# Altium PCB Fri3d_2026_DJ_01.PcbDoc (part 2 of 2)
Units mm, origin at the board's own origin, x right, y up, seen from the top; angles counter-clockwise.
Board outline 165 x 74 mm, 2 copper layers (Top Layer, Bottom Layer), stack 1.571 mm thick; 65 components, 57 nets, 282 pads, 145 vias.
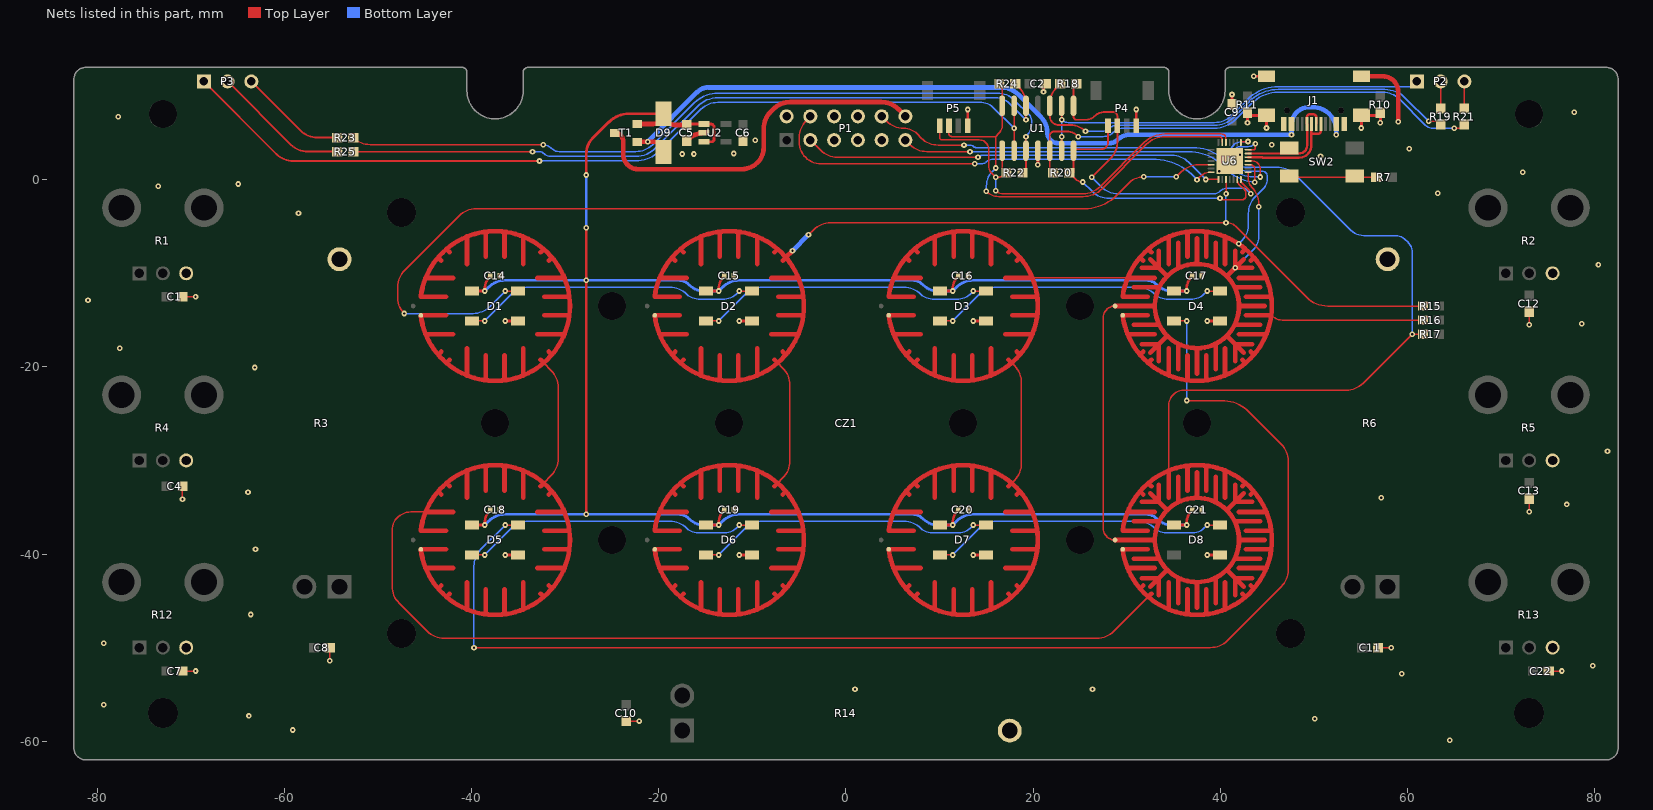
[diagram p2: the nets of this part, all layers, seen from the top]

## Via types
v1: diameter 0.6, hole 0.25, Top Layer to Bottom Layer, tented top, 145 vias

## Nets (pads, with @x,y where several pads share a name; then routed paths per layer and width w, separated by ;. In a path a pad name is that pad's centre, name@x,y a point inside that pad or via, vN(x,y) a via of type N, cw(c..) or ccw(c..) an arc to the next point about the centre after c; other vN are vias at no path point) (continued)
COL2: CZ1.1 CZ1.9 U6.22 | length 37.9
  Top Layer w0.15: CZ1.1@28.75,-38.5 cw(c28.75,-37.25) 27.5,-37.25 27.5,-14.75 cw(c28.75,-14.75) CZ1.9@28.75,-13.5 ; U6.22@42.975,0.8 42.975,0.156 ccw(c44.321,0.156) 43.369,-0.796 cw(c41.595,-2.57) 44.104,-2.57 v1(44.104,-2.887)
  Bottom Layer w0.15: v1(41.591,-9.409) 43.518,-7.482 ccw(c42.104,-6.067) 44.104,-6.067 v1(44.104,-2.887)
ESP.IO2: P1.5
ESP.IO15: P1.8
ESP.IO16: P1.7
ESP.IO17: P1.9
ESP.IO43: P1.3 U6.15 | length 45.3
  Top Layer w0.15: P1.3@-3.81,4.23 -2.724,3.144 ccw(c-0.928,4.94) -0.928,2.4 v1(14.1,2.4) ; v1(38.45,0.025) U6.15@39.8,0.025
  Bottom Layer w0.15: v1(14.1,2.4) cw(c14.583,1.917) 14.583,2.6 22.639,2.6 34.823,2.6 cw(c34.823,0.06) 36.619,1.856 v1(38.45,0.025)
ESP.IO44: P1.4 U6.14 | length 49.5
  Top Layer w0.15: P1.4@-3.81,6.77 -4.256,6.324 ccw(c-2.46,4.528) -5,4.528 -5,4.024 ccw(c-2.676,4.024) -2.676,1.7 v1(13.772,1.7) ; v1(37.5,0) 37.787,0.287 cw(c39.025,-0.95) U6.14@39.025,0.8
  Bottom Layer w0.15: v1(13.772,1.7) 14.517,1.7 ccw(c14.517,2.383) 15,1.9 cw(c15.724,1.176) 15.724,2.2 32.758,2.2 cw(c32.758,-3.984) v1@37.493,-0.006
ESP.IO47: P1.6
GND: C1.2 C2.2 C4.2 C5.2 C6.2 C7.2 C8.2 C9.2 C10.2 C11.2 C12.2 C13.2 C14.2 C15.2 C16.2 C17.2 C18.2 C19.2 C20.2 C21.2 C22.2 D1.3 D2.3 D3.3 D4.3 D5.3 D6.3 D7.3 D8.3 J1.A1 J1.A12 J1.B1 J1.B12 J1.MH1 J1.MH2 J1.MH3 J1.MH4 P1.2 P4.1 P5.1 R1.3 R2.3 R3.3 R4.3 R5.3 R6.3 R10.2 R11.2 R12.3 R13.3 R14.3 U1.11 U2.2 U6.29 | length 51
  Top Layer w0.15: C7.2@-70.9,-52.5 v1(-69.5,-52.5) ; v1(-70.9,-34.15) C4.2@-70.9,-32.75 ; C1.2@-70.9,-12.5 v1(-69.5,-12.5) ; v1(-55.15,-51.4) C8.2@-55.15,-50 ; C10.2@-23.5,-57.85 v1(-22.1,-57.85) ; C11.2@56.85,-50 v1(58.25,-50) ; v1(73,-35.5) C13.2@73,-34.1 ; v1(73,-15.5) C12.2@73,-14.1 ; C22.2@75.1,-52.5 v1(76.5,-52.5)
  Top Layer w0.25: P5.1@13,5.75 v1(13,7.5) ; P4.1@31,5.75 v1(31,7.5)
  Top Layer w0.3: v1(-36.4,-40.1) D5.3@-35.05,-40.1 ; v1(-36.4,-15.1) D1.3@-35.05,-15.1 ; v1(-11.4,-40.1) D6.3@-10.05,-40.1 ; v1(-11.4,-15.1) D2.3@-10.05,-15.1 ; v1(13.6,-40.1) D7.3@14.95,-40.1 ; v1(13.6,-15.1) D3.3@14.95,-15.1 ; v1(20.5,1.6) U1.11@20.5,3.1 ; v1(21.103,9.377) 21.103,10.003 C2.2@21.35,10.25 ; v1(38.6,-40.1) D8.3@39.95,-40.1 ; v1(38.6,-15.1) D4.3@39.95,-15.1 ; C9.2@41.25,8.05 v1(41.25,9.1) ; v1(42.9,6.1) R11.2@42.9,7.15 43.182,6.868 J1.MH4@44.93,6.868 v1(44.93,5.518) ; v1(43.58,11.048) J1.MH3@44.93,11.048 ; v1(55.07,5.518) J1.MH1@55.07,6.868 56.818,6.868 R10.2@57.1,7.15 v1(57.1,6.1)
  Top Layer w0.5: C5.2@-17,4.15 -16.84,4.31 cw(c-15.175,2.646) U2.2@-15.175,5 ; J1.MH2@55.07,11.048 57.352,11.048 cw(c57.352,9.4) 59,9.4 v1(59,6.2)
  other v1: 64.5,-59.9 -59.1,-58.8 50.1,-57.6 -63.8,-57.3 -79.3,-56.1 0.964,-54.442 26.336,-54.442 59.4,-52.8 79.786,-51.947 -79.299,-49.522 -63.59,-46.465 -63.1,-39.5 77,-34.7 57.2,-34 -63.9,-33.4 81.367,-29.035 -63.169,-20.074 -77.6,-18 78.6,-15.4 -81,-12.9 80.4,-9.1 -58.5,-3.6 63.222,-1.445 -73.5,-0.7 -64.926,-0.465 72.3,0.8 39.9,0.9 50.7,2.5 42.106,2.652 -17.5,2.75 -16.25,2.75 -12,2.8 60.174,3.303 45.5,3.75 -9.7,4.2 -77.752,6.739 77.8,7.2
I2C.SCL: P1.11 U6.24 | length 41.1
  Top Layer w0.15: P1.11@6.35,4.23 6.836,3.744 ccw(c8.632,5.54) 8.632,3 v1(13.25,3) ; U6.24@42.975,1.6 43.187,1.6 cw(c43.187,1.087) 43.701,1.087 43.701,-0.263 v1(43.676,-0.288)
  Bottom Layer w0.15: v1(13.25,3) 36.629,3 cw(c36.629,-2.121) 40.25,1.5 40.611,1.139 40.612,1.138 ccw(c44.099,4.626) v1(43.676,-0.288)
I2C.SDA: P1.10 U6.25 | length 45.1
  Top Layer w0.15: P1.10@3.81,6.77 4.336,6.244 ccw(c6.132,8.04) 6.132,5.5 cw(c6.132,3.405) 7.614,4.886 8.056,4.444 ccw(c9.852,6.24) 9.852,3.7 v1(12.609,3.7) ; U6.25@42.975,2 43.424,2 cw(c43.424,1.169) 44.256,1.169 v1(44.256,0.288)
  Bottom Layer w0.15: v1(12.609,3.7) 13.249,3.7 cw(c13.249,3.188) 13.611,3.55 ccw(c13.931,3.87) 13.931,3.417 37.125,3.417 cw(c37.125,-1.377) 40.515,2.013 41.38,1.148 ccw(c43.459,3.227) 43.459,0.288 v1(44.256,0.288)
LED.DATA: D1.4 U6.12 | length 108.4
  Top Layer w0.15: v1(-47.2,-14.3) cw(c-45.51,-12.61) -47.9,-12.61 -47.9,-11.452 cw(c-45.36,-11.452) -47.156,-9.656 -41.344,-3.844 cw(c-39.548,-5.64) -39.548,-3.1 25.487,-3.1 ccw(c25.487,1.761) 28.924,-1.676 30.264,-0.336 cw(c31.8,-1.873) v1(31.8,0.3) ; v1(-36.4,-11.9) D1.4@-35.05,-11.9 ; v1(35.3,0.312) 35.844,0.856 cw(c37.64,-0.94) 37.64,1.6 U6.12@39.025,1.6
  Bottom Layer w0.15: v1(-47.2,-14.3) -39.852,-14.3 ccw(c-39.852,-11.76) -38.056,-13.556 v1(-36.4,-11.9) ; v1(31.8,0.3) cw(c31.829,0.271) 31.829,0.312 v1(35.3,0.312)
NetD1_2: D1.2 D2.4 | length 31.9
  Top Layer w0.15: D1.2@-39.95,-15.1 v1(-38.6,-15.1) ; v1(-11.4,-11.9) D2.4@-10.05,-11.9
  Bottom Layer w0.15: v1(-38.6,-15.1) -35.744,-12.244 cw(c-33.948,-14.04) -33.948,-11.5 -18.802,-11.5 cw(c-18.802,-14.04) -17.006,-12.244 ccw(c-15.784,-11.022) -15.784,-12.75 -12.958,-12.75 ccw(c-12.958,-11.04) -11.749,-12.249 v1(-11.4,-11.9)
NetD2_2: D2.2 D3.4 | length 31.9
  Top Layer w0.15: D2.2@-14.95,-15.1 v1(-13.6,-15.1) ; v1(13.6,-11.9) D3.4@14.95,-11.9
  Bottom Layer w0.15: v1(-13.6,-15.1) -10.744,-12.244 cw(c-8.948,-14.04) -8.948,-11.5 6.198,-11.5 cw(c6.198,-14.04) 7.994,-12.244 ccw(c9.216,-11.022) 9.216,-12.75 12.042,-12.75 ccw(c12.042,-11.04) 13.251,-12.249 v1(13.6,-11.9)
NetD3_2: D3.2 D4.4 | length 31.9
  Top Layer w0.15: D3.2@10.05,-15.1 v1(11.4,-15.1) ; v1(38.6,-11.9) D4.4@39.95,-11.9
  Bottom Layer w0.15: v1(11.4,-15.1) 14.256,-12.244 cw(c16.052,-14.04) 16.052,-11.5 31.198,-11.5 cw(c31.198,-14.04) 32.994,-12.244 ccw(c34.216,-11.022) 34.216,-12.75 37.042,-12.75 ccw(c37.042,-11.04) 38.251,-12.249 v1(38.6,-11.9)
NetD4_2: D4.2 D5.4 | length 141.9
  Top Layer w0.15: v1(-39.75,-50) 38.948,-50 ccw(c38.948,-47.46) 40.744,-49.256 46.506,-43.494 ccw(c44.71,-41.698) 47.25,-41.698 47.25,-30.052 ccw(c44.71,-30.052) 46.506,-28.256 43.051,-24.801 ccw(c40.151,-27.701) 40.152,-23.6 v1(36.4,-23.6) ; v1(-36.4,-36.9) D5.4@-35.05,-36.9 ; D4.2@35.05,-15.1 v1(36.4,-15.1)
  Bottom Layer w0.15: v1(-39.75,-50) -39.75,-41.302 cw(c-37.21,-41.302) -39.006,-39.506 v1(-36.4,-36.9) ; v1(36.4,-23.6) v1(36.4,-15.1)
NetD5_2: D5.2 D6.4 | length 31.9
  Top Layer w0.15: D5.2@-39.95,-40.1 v1(-38.6,-40.1) ; v1(-11.4,-36.9) D6.4@-10.05,-36.9
  Bottom Layer w0.15: v1(-38.6,-40.1) -35.744,-37.244 cw(c-33.948,-39.04) -33.948,-36.5 -18.802,-36.5 cw(c-18.802,-39.04) -17.006,-37.244 ccw(c-15.784,-36.022) -15.784,-37.75 -12.958,-37.75 ccw(c-12.958,-36.04) -11.749,-37.249 v1(-11.4,-36.9)
NetD6_2: D6.2 D7.4 | length 31.9
  Top Layer w0.15: D6.2@-14.95,-40.1 v1(-13.6,-40.1) ; v1(13.6,-36.9) D7.4@14.95,-36.9
  Bottom Layer w0.15: v1(-13.6,-40.1) -10.744,-37.244 cw(c-8.948,-39.04) -8.948,-36.5 6.198,-36.5 cw(c6.198,-39.04) 7.994,-37.244 ccw(c9.216,-36.022) 9.216,-37.75 12.042,-37.75 ccw(c12.042,-36.04) 13.251,-37.249 v1(13.6,-36.9)
NetD7_2: D7.2 D8.4 | length 31.9
  Top Layer w0.15: D7.2@10.05,-40.1 v1(11.4,-40.1) ; v1(38.6,-36.9) D8.4@39.95,-36.9
  Bottom Layer w0.15: v1(11.4,-40.1) 14.256,-37.244 cw(c16.052,-39.04) 16.052,-36.5 31.198,-36.5 cw(c31.198,-39.04) 32.994,-37.244 ccw(c34.216,-36.022) 34.216,-37.75 37.042,-37.75 ccw(c37.042,-36.04) 38.251,-37.249 v1(38.6,-36.9)
NetP2_1: P2.1 U1.2 U1.13 | length 44.8
  Top Layer w0.15: U1.13@23.04,3.1 v1(23.04,4.604) ; v1(23.04,6.396) U1.2@23.04,7.9
  Bottom Layer w0.15: v1(23.04,4.604) v1(23.04,6.396) ccw(c23.755,7.111) 23.755,6.1 39.375,6.1 ccw(c39.375,8.64) 41.171,6.844 42.92,8.592 cw(c46.174,5.338) 46.174,9.941 60.815,9.941 ccw(c60.815,10.371) 61.12,10.067 61.12,10.38 P2.1@61,10.5
NetP2_2: P2.2 R19.2 | length 2.9
  Top Layer w0.15: R19.2@63.54,7.6 P2.2@63.54,10.5
NetP2_3: P2.3 R21.2 | length 2.9
  Top Layer w0.15: R21.2@66.08,7.6 P2.3@66.08,10.5
NetP3_1: P3.1 U1.6 U1.9 | length 98.2
  Top Layer w0.15: U1.9@17.96,3.1 U1.6@17.96,7.9
  Top Layer w0.2: P3.1@-68.62,10.5 -60.864,2.744 ccw(c-59.068,4.54) -59.068,2 v1(-32.75,2)
  Bottom Layer w0.15: v1(-32.75,2) -22.466,2 ccw(c-22.466,5.54) -19.963,3.037 -15.494,7.506 cw(c-13.698,5.71) -13.698,8.25 14.511,8.25 cw(c14.511,6.564) 15.704,7.756 v1(17.96,5.5)
NetP3_2: P3.2 R25.2 | length 14.8
  Top Layer w0.2: P3.2@-66.08,10.5 -59.324,3.744 ccw(c-57.528,5.54) -57.528,3 R25.2@-54.35,3 R25.2@-54.4,3
NetP3_3: P3.3 R23.2 | length 11.6
  Top Layer w0.2: P3.3@-63.54,10.5 -58.284,5.244 ccw(c-56.488,7.04) -56.488,4.5 R23.2@-54.35,4.5
NetR7_2: R7.2 SW2.1 | length 9.3
  Top Layer w0.15: SW2.1@47.35,0.4 ccw(c47.712,0.762) 47.712,0.25 R7.2@56.65,0.25
NetR18_2: R18.2 R19.1 U1.3 | length 49.2
  Top Layer w0.15: v1(62.25,6.25) 63.19,6.25 R19.1@63.54,5.9
  Top Layer w0.2: R18.2@22.9,10.25 22.514,9.864 ccw(c24.31,8.068) 21.77,8.068 U1.3@21.77,7.9 21.77,6.809 ccw(c22.74,6.809) 22.74,5.839 23.958,5.839 cw(c23.958,3.521) v1(25.597,5.16)
  Bottom Layer w0.15: v1(25.597,5.16) 27.354,5.16 ccw(c27.354,6.253) 28.126,5.48 cw(c28.899,4.707) 28.899,5.8 39.375,5.8 ccw(c39.375,8.64) 41.383,6.632 43.132,8.38 cw(c46.174,5.338) 46.174,9.641 57.557,9.641 cw(c57.557,6.497) 59.78,8.72 v1(62.25,6.25)
NetR20_2: R20.2 R21.1 U1.12 | length 52.4
  Top Layer w0.15: v1(65,5.5) 66,5.5 66.08,5.58 R21.1@66.08,5.9
  Top Layer w0.2: R20.2@22.15,0.75 21.77,0.75 U1.12@21.77,3.1 21.77,4.65 cw(c22.279,4.65) 22.279,5.159 23.526,5.159 cw(c23.526,3.392) 24.775,4.641 v1(24.817,4.6)
  Bottom Layer w0.15: v1(24.817,4.6) 24.823,4.606 27.474,4.606 ccw(c27.474,6.132) 28.553,5.053 cw(c29.632,3.974) 29.632,5.5 39.375,5.5 ccw(c39.375,8.64) 41.595,6.42 43.344,8.168 cw(c46.174,5.338) 46.174,9.341 57.403,9.341 cw(c57.403,6.911) 59.121,8.629 61.913,5.837 ccw(c62.727,6.652) 62.727,5.5 v1(65,5.5)
NetR22_2: R22.2 R23.1 U1.10 | length 82.6
  Top Layer w0.15: R23.1@-52.65,4.5 -52.644,4.494 ccw(c-50.848,6.29) -50.848,3.75 v1(-32.354,3.75) ; U1.10@19.23,3.1 v1(19.23,4.604)
  Top Layer w0.2: R22.2@18.85,0.75 19.23,0.75 U1.10@19.23,3.1
  Bottom Layer w0.15: v1(-32.354,3.75) cw(c-32.354,2.646) -31.573,3.427 -31.5,3.354 ccw(c-30.646,4.207) -30.646,3 -22.466,3 ccw(c-22.466,5.54) -20.67,3.744 -16.201,8.213 cw(c-13.698,5.71) -13.698,9.25 16.198,9.25 cw(c16.198,6.71) 17.994,8.506 19.565,6.935 cw(c18.845,6.216) 19.863,6.216 19.863,6.131 cw(c17.703,6.131) v1(19.23,4.604)
NetR24_2: R24.2 R25.1 U1.5 | length 79.4
  Top Layer w0.15: R25.1@-52.65,3 v1(-33.5,3) ; v1(19.23,6.396) U1.5@19.23,7.9
  Top Layer w0.2: R24.2@18.1,10.25 18.486,9.864 cw(c16.69,8.068) 19.23,8.068 U1.5@19.23,7.9
  Bottom Layer w0.15: v1(-33.5,3) -32.854,3 cw(c-32.854,2.146) -32.25,2.75 ccw(c-31.646,3.354) -31.646,2.5 -22.466,2.5 ccw(c-22.466,5.54) -20.317,3.39 -15.848,7.86 cw(c-13.698,5.71) -13.698,8.75 15.976,8.75 cw(c15.976,6.577) 17.513,8.113 v1(19.23,6.396)
ROW0: CZ1.2 CZ1.8 CZ1.16 R17.2 U6.28 | length 183.9
  Top Layer w0.15: -44.925,-35.5 -46.5,-35.5 ccw(c-46.5,-37.5) -48.5,-37.5 -48.5,-43.448 ccw(c-45.96,-43.448) -47.756,-45.244 -44.744,-48.256 ccw(c-42.948,-46.46) -42.948,-49 26.836,-49 ccw(c26.836,-46.46) 28.632,-48.256 32.305,-44.583 ; -32.305,-32.417 -31.494,-31.606 ccw(c-33.29,-29.81) -30.75,-29.81 -30.75,-22.19 ccw(c-33.29,-22.19) -31.494,-20.394 -32.305,-19.583 ; 34.5,-31.075 34.5,-24.088 cw(c36.088,-24.088) 36.088,-22.5 53.448,-22.5 ccw(c53.448,-19.96) 55.244,-21.756 v1(60.5,-16.5) R17.2@61.65,-16.5 ; U6.28@42.975,3.2 43.531,3.2 ccw(c43.531,3.419) 43.75,3.419 v1(43.75,3.851)
  Bottom Layer w0.15: v1(43.75,3.851) cw(c42.994,4.607) 42.994,3.538 42.151,3.538 ccw(c42.151,2.819) 41.432,2.819 ccw(c42.79,2.67) 42.79,1.303 46.291,1.303 cw(c46.291,-0.883) 47.837,0.663 53.756,-5.256 ccw(c55.552,-3.46) 55.552,-6 58.765,-6 cw(c58.765,-7.439) 59.783,-6.421 60.013,-6.651 cw(c58.836,-7.828) 60.5,-7.828 v1(60.5,-16.5)
ROW1: CZ1.4 CZ1.10 CZ1.12 R16.2 U6.1 | length 57
  Top Layer w0.15: 17.695,-32.417 18.006,-32.106 ccw(c16.21,-30.31) 18.75,-30.31 18.75,-21.69 ccw(c16.21,-21.69) 18.006,-19.894 17.695,-19.583 ; 19.925,-10.5 30.075,-10.5 ; U6.1@42.2,3.975 42.2,4.052 42.223,4.075 v1(42.96,4.075) ; 45.427,-14.5 ccw(c46.634,-13.293) 45.436,-14.509 ccw(c46.634,-13.293) 46.634,-15 R16.2@61.65,-15
  Bottom Layer w0.15: v1(41.949,-6.851) 42.354,-6.446 ccw(c40.793,-4.886) 43,-4.886 43,-3.606 cw(c45.54,-3.606) 43.744,-1.81 44.554,-1 ccw(c43.478,0.076) 45,0.076 45,0.41 ccw(c44.522,0.41) 44.522,0.889 43.008,0.889 cw(c43.008,2.834) 41.062,2.834 cw(c42.302,2.834) 42.302,4.075 v1(42.96,4.075)
ROW2: CZ1.6 CZ1.14 R15.2 U6.17 | length 91.3
  Top Layer w0.15: -7.305,-32.417 -6.744,-31.856 ccw(c-8.54,-30.06) -6,-30.06 -6,-21.94 ccw(c-8.54,-21.94) -6.744,-20.144 -7.305,-19.583 ; v1(-4.012,-5.9) -3.456,-5.344 cw(c-1.66,-7.14) -1.66,-4.6 v1(40.6,-4.6) 40.695,-4.6 cw(c40.695,-5.932) 41.637,-4.99 42.275,-5.628 49.224,-12.577 ccw(c51.452,-10.349) 51.452,-13.5 R15.2@61.65,-13.5 ; U6.17@40.6,0.025 40.606,0.019 40.606,-1.494 v1(40.612,-1.5)
  Top Layer w0.5: -6.417,-8.305 v1(-5.712,-7.6)
  Bottom Layer w0.15: v1(40.6,-4.6) 40.6,-1.512 v1(40.612,-1.5)
  Bottom Layer w0.5: v1(-5.712,-7.6) v1(-4.012,-5.9)
SCRATCH.A1: P4.3 R18.1 U1.1 U6.21 | length 36.7
  Top Layer w0.15: U6.21@42.2,0.025 42.2,-0.245 43.105,-1.15 cw(c42.755,-1.5) v1(43.25,-1.5)
  Top Layer w0.2: R18.1@24.6,10.25 24.31,10.25 U1.1@24.31,7.9 24.31,6.715 ccw(c24.625,6.715) 24.625,6.4 25.68,6.4 ccw(c25.68,7.56) 26.5,6.74 cw(c27.732,5.508) 27.732,7.25 28.5,7.25 cw(c28.5,6.75) 29,6.75 P4.3@29,5.75 29,4.052 cw(c26.46,4.052) 28.256,2.256 v1(26.25,0.25)
  Bottom Layer w0.15: v1(26.25,0.25) 27.256,-0.756 ccw(c29.052,1.04) 29.052,-1.5 39.362,-1.5 ccw(c39.362,-0.708) 39.922,-1.268 39.938,-1.252 cw(c40.773,-2.088) 40.773,-0.906 42.385,-0.906 cw(c42.385,-1.561) 42.848,-1.098 v1(43.25,-1.5)
SCRATCH.A2: P5.3 R24.1 U1.7 U6.6 | length 46.6
  Top Layer w0.15: P5.3@11,5.75 11,4.911 ccw(c11.298,4.911) 11.298,4.613 16,4.613 ; v1(15,-1.25) ccw(c16.328,0.078) 16.328,-1.8 25.349,-1.8 ccw(c25.349,1.04) 27.358,-0.968 32.094,3.768 cw(c34.064,1.798) 34.064,4.584 39.916,4.584 cw(c39.916,4.3) 40.2,4.3 U6.6@40.2,3.975 ; v1(16,1.25) 16,4.613 ; U1.7@16.69,7.9 16.69,5.812 cw(c15.461,5.812) 16.33,4.943 16,4.613
  Top Layer w0.2: R24.1@16.4,10.25 16.69,10.25 U1.7@16.69,7.9
  Bottom Layer w0.15: v1(15,-1.25) 15,-0.683 cw(c17.252,-0.683) 15.66,0.91 v1(16,1.25)
SCRATCH.B1: P4.4 R20.1 U1.14 U6.20 | length 31
  Top Layer w0.15: R20.1@23.85,0.75 24.521,0.079 ccw(c25.315,0.872) v1(25.315,-0.25) ; R20.1@24.31,0.755 R20.1@24.325,0.74 ; v1(39.969,-2) ccw(c40.315,-1.654) 40.315,-2.143 42.308,-2.143 ccw(c42.308,-1.726) 42.725,-1.726 42.725,-1.397 ccw(c42.235,-1.397) 42.581,-1.051 41.978,-0.488 cw(c42.2,-0.25) 41.884,-0.326 U6.20@41.8,0.025
  Top Layer w0.2: R20.1@23.85,0.75 24.31,0.75 24.31,0.755 U1.14@24.31,3.1 cw(c24.46,3.1) 24.46,3.25 27.25,3.25 ccw(c27.25,4) 28,4 P4.4@28,5.75
  Bottom Layer w0.15: v1(25.315,-0.25) 26.321,-1.256 ccw(c28.117,0.54) 28.117,-2 v1(39.969,-2)
SCRATCH.B2: P5.4 R22.1 U1.8 U6.5 | length 43.5
  Top Layer w0.15: P5.4@10,5.75 10,4.5 ccw(c10.25,4.5) 10.25,4.25 14.25,4.25 cw(c14.25,3.25) 15.25,3.25 15.25,1.5 ccw(c16.457,1.5) 15.604,0.646 v1(16,0.25) ; v1(16,-1.169) ccw(c16.8,-0.369) 16.8,-1.5 25.349,-1.5 ccw(c25.349,1.04) 27.145,-0.756 31.882,3.98 cw(c34.064,1.798) 34.064,4.884 40.116,4.884 cw(c40.116,4.4) 40.6,4.4 U6.5@40.6,3.975
  Top Layer w0.2: v1(16,0.25) 16.04,0.234 ccw(c16.04,1.728) 17.135,0.711 R22.1@17.15,0.75 ; U1.8@16.69,3.1 16.69,1.65 16.7,1.64 16.7,1.15 R22.1@17.1,0.75
  Bottom Layer w0.2: v1(16,-1.169) v1(16,0.25)
USB.D_n: J1.A7 J1.B7 U6.26 | length 11.8
  Top Layer w0.25: U6.26@42.975,2.4 44.5,2.4 44.5,2.35 48.4,2.35 ccw(c48.4,3.676) 49.726,3.676 49.726,4.661 49.726,5.928 cw(c49.75,5.928) J1.A7@49.75,5.953 ; 49.726,4.9 50.4,4.9 ccw(c50.4,5.25) 50.75,5.25 J1.B7@50.75,5.953
USB.D_p: J1.A6 J1.B6 SW2.2@47.35,3.4 U6.27 | length 11.9
  Top Layer w0.25: U6.27@42.975,2.8 48.4,2.8 ccw(c48.4,3.676) 49.276,3.676 49.276,5.927 J1.B6@49.25,5.953 49.25,6.655 cw(c49.6,6.655) 49.6,7.005 49.9,7.005 cw(c49.9,6.655) 50.25,6.655 J1.A6@50.25,5.953
VDJ: C5.1 C14.1 C15.1 C16.1 C17.1 C18.1 C19.1 C20.1 C21.1 D1.1 D2.1 D3.1 D4.1 D5.1 D6.1 D7.1 D8.1 D9.C T1.2 U2.1 U2.3 | length 241.6
  Top Layer w0.3: D5.1@-39.95,-36.9 v1(-38.6,-36.9) -38.6,-36.699 cw(c-36.551,-36.699) C18.1@-38,-35.25 ; D1.1@-39.95,-11.9 v1(-38.6,-11.9) -38.6,-11.699 cw(c-36.551,-11.699) C14.1@-38,-10.25 ; v1(-27.75,-35.75) v1(-27.75,-10.75) v1(-27.75,-5.137) v1@-27.75,-5.1 ; v1(-27.75,0.5) -27.75,2.793 cw(c-25.439,2.793) -27.073,4.427 -25.354,6.146 cw(c-23.172,3.965) -23.172,7.05 D9.C@-19.5,7.05 D9.C@-19.5,8.1 ; C5.1@-17,5.85 cw(c-16.759,5.609) -16.759,5.95 U2.1@-15.175,5.95 -14.45,5.95 cw(c-14.45,5.6) -14.1,5.6 -14.1,4.3 cw(c-14.35,4.3) -14.35,4.05 U2.3@-15.175,4.05 ; D6.1@-14.95,-36.9 v1(-13.6,-36.9) -13.6,-36.699 cw(c-11.551,-36.699) C19.1@-13,-35.25 ; D2.1@-14.95,-11.9 v1(-13.6,-11.9) -13.6,-11.699 cw(c-11.551,-11.699) C15.1@-13,-10.25 ; D7.1@10.05,-36.9 v1(11.4,-36.9) 11.4,-36.699 cw(c13.449,-36.699) C20.1@12,-35.25 ; D3.1@10.05,-11.9 v1(11.4,-11.9) 11.4,-11.699 cw(c13.449,-11.699) C16.1@12,-10.25 ; D8.1@35.05,-36.9 v1(36.4,-36.9) 36.4,-36.699 cw(c38.449,-36.699) C21.1@37,-35.25 ; D4.1@35.05,-11.9 v1(36.4,-11.9) 36.4,-11.699 cw(c38.449,-11.699) C17.1@37,-10.25
  Top Layer w0.5: T1.2@-22.3,5.95 -20.6,5.95 ccw(c-20.6,7.05) D9.C@-19.5,7.05 ccw(c-18.3,7.05) -18.3,5.85 C5.1@-17,5.85
  Bottom Layer w0.3: v1(-38.6,-36.9) -38.194,-36.494 cw(c-36.398,-38.29) -36.398,-35.75 -17.957,-35.75 cw(c-17.957,-37.457) -16.75,-36.25 ccw(c-15.181,-34.681) -15.181,-36.9 v1(-13.6,-36.9) -13.194,-36.494 cw(c-11.398,-38.29) -11.398,-35.75 7.043,-35.75 cw(c7.043,-37.457) 8.25,-36.25 ccw(c9.819,-34.681) 9.819,-36.9 v1(11.4,-36.9) 11.806,-36.494 cw(c13.602,-38.29) 13.602,-35.75 32.043,-35.75 cw(c32.043,-37.457) 33.25,-36.25 ccw(c34.819,-34.681) 34.819,-36.9 v1(36.4,-36.9) ; v1(-38.6,-11.9) -38.194,-11.494 cw(c-36.398,-13.29) -36.398,-10.75 v1(-27.75,-10.75) -17.957,-10.75 cw(c-17.957,-12.457) -16.75,-11.25 ccw(c-15.181,-9.681) -15.181,-11.9 v1(-13.6,-11.9) -13.194,-11.494 cw(c-11.398,-13.29) -11.398,-10.75 7.043,-10.75 cw(c7.043,-12.457) 8.25,-11.25 ccw(c9.819,-9.681) 9.819,-11.9 v1(11.4,-11.9) 11.806,-11.494 cw(c13.602,-13.29) 13.602,-10.75 32.043,-10.75 cw(c32.043,-12.457) 33.25,-11.25 ccw(c34.819,-9.681) 34.819,-11.9 v1(36.4,-11.9) ; v1(-27.75,-5.137) v1(-27.75,0.5)
VSYS: P1.12 T1.3 | length 39.3
  Top Layer w0.5: T1.3@-24.7,5 cw(c-24.7,4.1) -23.8,4.1 -23.8,2.7 ccw(c-22.23,2.7) -22.23,1.13 -11.11,1.13 ccw(c-11.11,3.44) -8.8,3.44 -8.8,5.448 cw(c-6.26,5.448) -8.056,7.244 -7.744,7.556 cw(c-5.948,5.76) -5.948,8.3 3.768,8.3 cw(c3.768,5.76) 5.564,7.556 P1.12@6.35,6.77
VUSB: D9.A J1.A4 J1.A9 J1.B4 J1.B9 T1.1 | length 86.6
  Top Layer w0.5: T1.1@-22.3,4.05 v1(-21.201,4.05) -20.6,4.05 cw(c-20.6,2.95) D9.A@-19.5,2.95
  Bottom Layer w0.5: v1(-21.201,4.05) -15.875,9.376 cw(c-14.707,8.208) -14.707,9.86 16.588,9.86 cw(c16.588,7.32) 18.384,9.116 20.847,6.653 cw(c19.269,5.076) 21.5,5.076 ccw(c22.679,5.076) 22.679,3.896 28.146,3.896 ccw(c28.146,5.104) 29,4.25 cw(c30.328,2.922) 30.328,4.8 v1(47.6,4.8) 47.6,5.85 cw(c49.5,5.85) 49.5,7.75 49.86,7.75 cw(c49.86,5.21) 52.4,5.21 v1(52.4,4.8)
pads on no net: CZ1.0 D8.2 J1.0 J1.A8 J1.B8 P4.Z1 P4.Z2 P5.Z1 P5.Z2 R1.MH R2.MH R4.MH R5.MH R12.MH R13.MH SW2.2@54.35,3.4 U2.4 U6.23

## Polygon pours and split planes (outlines as drawn)
GND on Top Layer "NONET_L-01_P-001" (solid, remove dead copper, pour order 0): -82.5,-62 -82.5,12 82.5,12 82.5,-62
GND on Bottom Layer "NONET_L-01_P-001" (solid, remove dead copper, pour order 1): -82.5,-62 -82.5,12 82.5,12 82.5,-62

## Keep-outs
Bottom Layer:
  circle w0.1: c-47.5,-3.5 r2.9
  circle w0.1: c-47.5,-48.5 r2.9
  circle w0.1: c47.5,-48.5 r2.9
  circle w0.1: c47.5,-3.5 r2.9
Keep-Out Layer:
  circle w0.1: c73,7 r2.9
  circle w0.1: c-73,7 r2.9
  circle w0.1: c-73,-57 r2.9
  circle w0.1: c73,-57 r2.9

## Other copper
Top Layer:
  rectangle net VUSB: 52.1,4.5 52.7,6.7
  rectangle net VUSB: 47.3,4.5 47.9,6.7
  region net GND: 47.1,5.2 44,5.2 44,7.6 46,7.6 46,7.2 ccw(c46.5,7.2) 46.5,6.7 47.1,6.7
  region net GND: 52.9,5.2 56,5.2 56,7.6 54,7.6 54,7.2 cw(c53.5,7.2) 53.5,6.7 52.9,6.7
  region net GND: 51.448,-53.432 52.366,-55.28 52.669,-55.153 52.683,-55.114 52.164,-54.075 54.163,-54.898 51.103,-56.158 51.094,-56.199 54.632,-59.737 58.17,-56.199 58.162,-56.158 55.102,-54.898 57.101,-54.075 56.593,-55.114 56.607,-55.153 56.91,-55.28 57.828,-53.432 57.8,-53.402 54.638,-54.706 51.476,-53.402 hole: 54.632,-55.095 57.565,-56.3 55.218,-58.641 56.415,-56.246 56.401,-56.207 56.099,-56.08 54.632,-59.018 53.166,-56.08 52.864,-56.207 52.849,-56.246 54.047,-58.647 51.7,-56.3
  region net GND: 460 vertices and 0 holes, not listed, extent 29.633,-56.336 31.436,-54.334
  region net GND: 638 vertices and 0 holes, not listed, extent 28.227,-58.375 31.511,-55.991
  region net GND: 380 vertices and 0 holes, not listed, extent 27.663,-55.85 29.726,-54.392
  region net GND: 570 vertices and 0 holes, not listed, extent 27.53,-58.26 28.624,-55.392
  region net GND: -26.395,-57.417 -26.408,-57.374 -26.437,-57.3 -26.531,-57.112 -26.628,-56.924 -26.697,-56.801 -26.845,-56.575 -27.016,-56.349 -27.196,-56.142 -27.366,-55.976 -27.521,-55.849 -27.697,-55.724 -27.862,-55.617 -27.928,-55.598 -27.962,-55.62 -28.097,-55.929 -28.224,-56.239 -28.32,-56.505 -28.353,-56.607 -28.461,-56.401 -28.665,-56.052 -28.899,-55.734 -29.158,-55.45 -29.441,-55.204 -29.527,-55.143 -29.645,-55.07 -29.765,-55.001 -29.799,-54.992 -29.81,-54.998 -29.842,-55.052 -29.878,-55.117 -29.917,-55.196 -29.997,-55.367 -30.054,-55.502 -30.109,-55.649 -30.185,-55.869 -30.274,-56.13 -30.382,-55.978 -30.495,-55.833 -30.637,-55.674 -30.786,-55.522 -30.924,-55.4 -31.035,-55.316 -31.187,-55.215 -31.342,-55.117 -31.383,-55.106 -31.391,-55.11 -31.416,-55.15 -31.444,-55.198 -31.474,-55.256 -31.618,-55.572 -31.75,-55.922 -31.865,-56.292 -31.957,-56.664 -31.996,-56.857 -32.038,-57.088 -32.075,-57.31 -32.081,-57.38 -32.056,-57.406 -31.706,-57.412 -31.095,-57.416 -29.238,-57.417
  region net GND: -32.478,-57.417 -32.478,-57.253 -33.374,-57.24 -33.807,-57.235 -34.383,-57.231 -34.995,-57.228 -35.552,-57.227 -36.096,-57.226 -36.497,-57.222 -36.827,-57.217 -36.835,-57.209 -36.842,-57.106 -37.029,-55.729 -37.219,-54.328 -37.233,-54.277 -37.256,-54.247 -37.295,-54.226 -37.344,-54.217 -37.395,-54.223 -37.415,-54.231 -37.434,-54.244 -37.451,-54.26 -37.461,-54.277 -37.471,-54.311 -37.513,-54.593 -37.56,-54.917 -37.612,-55.293 -37.663,-55.667 -37.707,-55.983 -37.747,-56.268 -37.75,-56.273 -37.751,-56.273 -37.752,-56.272 -37.793,-55.984 -37.838,-55.664 -37.89,-55.283 -37.99,-54.561 -38.032,-54.344 -38.079,-54.25 -38.152,-54.215 -38.225,-54.25 -38.273,-54.345 -38.315,-54.563 -38.417,-55.289 -38.47,-55.672 -38.515,-55.992 -38.556,-56.277 -38.557,-56.278 -38.557,-56.277 -38.589,-56.051 -38.701,-55.234 -38.823,-54.334 -38.824,-54.312 -38.836,-54.281 -38.87,-54.248 -38.914,-54.224 -38.957,-54.215 -38.982,-54.218 -39.008,-54.226 -39.033,-54.238 -39.052,-54.253 -39.066,-54.269 -39.078,-54.287 -39.087,-54.302 -39.089,-54.314 -39.091,-54.332 -39.145,-54.749 -39.206,-55.214 -39.279,-55.763 -39.352,-56.311 -39.413,-56.776 -39.467,-57.193 -39.468,-57.208 -39.478,-57.218 -40.06,-57.222 -40.784,-57.226 -41.824,-57.227 -42.792,-57.228 -43.755,-57.231 -44.592,-57.235 -45.091,-57.24 -46.004,-57.253 -46.004,-57.417 -39.293,-57.407 -39.259,-57.36 -39.238,-57.309 -39.205,-57.121 -39.163,-56.84 -39.098,-56.365 -39.048,-56.001 -39.004,-55.692 -38.964,-55.417 -38.959,-55.404 -38.955,-55.403 -38.953,-55.406 -38.912,-55.679 -38.866,-55.988 -38.815,-56.359 -38.72,-57.047 -38.677,-57.276 -38.632,-57.381 -38.566,-57.417 -38.523,-57.412 -38.485,-57.397 -38.455,-57.375 -38.437,-57.346 -38.426,-57.303 -38.296,-56.379 -38.171,-55.485 -38.16,-55.371 -38.156,-55.367 -38.152,-55.37 -38.132,-55.484 -38.097,-55.731 -38.019,-56.299 -37.971,-56.656 -37.928,-56.967 -37.891,-57.234 -37.884,-57.282 -37.866,-57.337 -37.835,-57.38 -37.794,-57.407 -37.746,-57.417 -37.675,-57.381 -37.629,-57.282 -37.586,-57.058 -37.489,-56.359 -37.438,-55.989 -37.393,-55.679 -37.351,-55.406 -37.349,-55.403 -37.345,-55.404 -37.339,-55.417 -37.299,-55.692 -37.256,-56.001 -37.206,-56.365 -37.141,-56.844 -37.099,-57.123 -37.067,-57.309 -37.045,-57.36 -37.011,-57.407

## Silkscreen, mask and mechanical layers (free items; w line width, h text height)
Top Overlay:
  drawing of 102 lines, arcs and shapes, not listed
  text "A" at -66.84,9.8 h3 r270
  text "A" at 62.78,9.8 h3 r270
  text "COM" at -69.405,9.6 h3 r270
  text "B" at -64.3,9.6 h3 r270
  text "COM" at 60.215,9.6 h3 r270
  text "B" at 65.32,9.6 h3 r270
  text "Wim" at -33,8.75 h2 r9
  text ".PCB_TITLE / Rev. .PCB_Rev" at -54.749,7.737 h2.5 r0.02
  text "SCL :" at -38.017,-3 h2.5
  text "PC19-DCK" at -31.517,-3 h2.5
  text "A :" at 8.233,-3 h2.5
  text "PA1" at 11.733,-3 h2.5
  text "1" at -57.25,-3.25 h4
  text "A :" at -12.017,-3.25 h2.5
  text "PB10" at -8.517,-3.25 h2.5
  text "WS2812 :" at 18.983,-3.25 h2.5
  text "PA7-MOSI" at 29.233,-3.25 h2.5
  text "2" at 54.5,-3.25 h4
  text "I²C" at -43.017,-3.75 h2.5
  text "Scratch 2" at -7.017,-4 h2.5
  text "Scratch 1" at -27.267,-4.25 h2.5
  text "SDA :" at -38.017,-4.75 h2.5
  text "PC18-DIO" at -31.517,-4.75 h2.5
  text "B :" at 8.233,-4.75 h2.5
  text "PA2" at 11.733,-4.75 h2.5
  text "B :" at -12.017,-5 h2.5
  text "PB9" at -8.517,-5 h2.5
  text "Crossfader :" at 16,-5.25 h2.5
  text "PA4-A4" at 29.233,-5.25 h2.5
  text "Hi" at -78.248,-13.25 h4
  text "Hi" at 75.002,-13.25 h4
  text "Hi :" at 17.733,-20.75 h2.5
  text "PC0-A10" at 24.233,-20.75 h2.5
  text "Row 0 :" at -31.767,-22.25 h2.5
  text "PC14" at -23.267,-22.25 h2.5
  text "Mid :" at 17.733,-22.5 h2.5
  text "PC3-A13" at 24.233,-22.5 h2.5
  text "1" at 14.983,-23.25 h2.5
  text "Row 1 :" at -31.767,-24 h2.5
  text "PC15" at -23.267,-24 h2.5
  text "Low :" at 17.733,-24.25 h2.5
  text "PA2-A2" at 24.233,-24.25 h2.5
  text "Row 2 :" at -31.767,-25.75 h2.5
  text "PB6" at -23.267,-25.75 h2.5
  text "Fad :" at 17.733,-26 h2.5
  text "PA3-A3" at 24.233,-26 h2.5
  text "Col 0 :" at -31.767,-27.5 h2.5
  text "PB7" at -23.267,-27.5 h2.5
  text "Hi :" at 17.733,-27.75 h2.5
  text "PA6-A6" at 24.233,-27.75 h2.5
  text "Keypad" at -46.517,-29.25 h2.5
  text "Col 1 :" at -31.767,-29.25 h2.5
  text "PB8" at -23.267,-29.25 h2.5
  text "Mid :" at 17.733,-29.5 h2.5
  text "PA9-A9" at 24.233,-29.5 h2.5
  text "2" at 14.983,-30.25 h2.5
  text "Col 2 :" at -31.767,-31 h2.5
  text "PB11" at -23.267,-31 h2.5
  text "Low :" at 17.733,-31.25 h2.5
  text "PB0-A8" at 24.233,-31.25 h2.5
  text "Fad :" at 17.733,-33 h2.5
  text "PA5-A5" at 24.233,-33 h2.5
  text "Mid" at -80.748,-33.228 h4
  text "Mid" at 74.502,-33.228 h4
  text "Low" at -81.248,-52.978 h4
  text "Low" at 76.002,-53.228 h4
Bottom Overlay:
  drawing of 104 lines, arcs and shapes, not listed
  text "GND" at -6.85,8.29 h1.5 r270
  text "44" at -4.31,8.29 h1.5 r270
  text "47" at -1.77,8.29 h1.5 r270
  text "15" at 0.77,8.29 h1.5 r270
  text "SDA" at 3.31,8.29 h1.5 r270
  text "VSYS" at 5.85,8.29 h1.5 r270
  text "3V" at -6.85,-0.29 h1.5 r270
  text "43" at -4.31,-0.29 h1.5 r270
  text "2" at -1.77,-0.29 h1.5 r270
  text "16" at 0.77,-0.29 h1.5 r270
  text "17" at 3.31,-0.29 h1.5 r270
  text "SCL" at 5.85,-0.29 h1.5 r270
Board Outline:
  lines w0.1: 81.23,12 ccw(c81.23,12) 81.23,12 ; 81.23,12 cw(c81.23,10.73) 82.5,10.73 82.5,-60.73 cw(c81.23,-60.73) 81.23,-62 -81.23,-62 cw(c-81.23,-60.73) -82.5,-60.73 -82.5,10.73 cw(c-81.23,10.73) -81.23,12 -41.022,12 cw(c-41.022,11.478) -40.5,11.478 -40.5,9.5 ccw(c-37.5,9.5) -34.5,9.5 -34.5,11.478 cw(c-33.978,11.478) -33.978,12 33.978,12 cw(c33.978,11.478) 34.5,11.478 34.5,9.5 ccw(c37.5,9.5) 40.5,9.5 40.5,11.478 cw(c41.022,11.478) 41.022,12 81.23,12
Fabrication:
  text "Blue Solder Mask" at -80,-74 h1.5
  text "White Silkscreen" at -80,-77 h1.5
  text "1.6mm Thickness" at -80,-83 h1.5
Stencil:
  region: 75.55,37 cw(c73,37) 73,34.45 cw(c73,37) 70.45,37 cw(c73,37) 73,39.55 cw(c73,37)
  region: -70.45,37 cw(c-73,37) -73,34.45 cw(c-73,37) -75.55,37 cw(c-73,37) -73,39.55 cw(c-73,37)
  lines w0.15: -102.5,-110.5 -102.5,56 102.5,56 102.5,-110.5 -102.5,-110.5
Frame:
  drawing of 15 lines, arcs and shapes, not listed
  text "Document" at 180.402,-99.311 h2
  text ".PCB_TITLE" at 181.902,-104.811 h3.2
  text "Layer Name" at 180.402,-109.311 h2
  text "Date" at 180.402,-119.311 h2
  text "Rev" at 220.402,-119.311 h2
  text ".Print_Date" at 183.402,-124.811 h3.5
  text ".PCB_REV" at 224.902,-124.811 h4
  text "Desginer" at 130.402,-129.311 h2
  text "Document" at 180.402,-129.311 h2
  text ".Pcb_File_Name_No_Path" at 181.902,-134.311 h1.5
  text ".PCB_ENGINEER" at 134.902,-134.811 h4
Drill Drawing:
  circle w0.15: c82.744,34.91 r0.444
  circle w0.15: c82.744,24.91 r0.267
  circle w0.15: c82.744,24.91 r0.444
  lines w0.15: 81.497,23.866 208.848,23.866 ; 81.497,41.866 208.848,41.866 ; 88.895,21.866 88.895,43.866 ; 96.926,21.866 96.926,43.866 ; 112.288,21.866 112.288,43.866 ; 119.087,21.866 119.087,43.866 ; 128.924,21.866 128.924,43.866 ; 148.952,21.866 148.952,43.866 ; 156.869,21.866 156.869,43.866 ; 166.867,21.866 166.867,43.866 ; 178.497,21.866 178.497,43.866 ; 190.094,21.866 190.094,43.866 ; 81.497,21.866 208.848,21.866 208.848,43.866 81.497,43.866 81.497,21.866 ; 82.299,26.688 82.521,26.688 82.744,26.466 82.966,26.688 83.188,26.688 82.966,26.91 83.188,27.133 82.966,27.133 82.744,27.355 82.521,27.133 82.299,27.133 82.521,26.91 82.299,26.688 ; 82.299,28.466 83.188,28.466 83.188,29.355 82.299,29.355 82.299,28.466 ; 82.299,31.355 83.188,31.355 82.744,30.466 82.299,31.355 ; 82.299,32.688 82.521,32.688 82.521,32.466 82.966,32.466 82.966,32.688 83.188,32.688 83.188,33.133 82.966,33.133 82.966,33.355 82.521,33.355 82.521,33.133 82.299,33.133 82.299,32.688 ; 82.299,36.466 82.744,36.688 83.188,36.466 82.966,36.91 83.188,37.355 82.744,37.133 82.299,37.355 82.521,36.91 82.299,36.466 ; 82.299,38.466 82.299,38.688 82.521,38.91 82.299,39.133 82.299,39.355 82.521,39.355 82.744,39.133 82.966,39.355 83.188,39.355 83.188,39.133 82.966,38.91 83.188,38.688 83.188,38.466 82.966,38.466 82.744,38.688 82.521,38.466 82.299,38.466 ; 82.299,40.466 83.188,40.466 83.188,41.355 82.299,41.355 82.299,40.466 ; 82.477,40.644 83.01,40.644 83.01,41.177 82.477,41.177 82.477,40.644
  text "Symbol" at 82.697,42.466 h0.96
  text "Count" at 89.495,42.466 h0.96
  text "Hole Size" at 97.526,42.466 h0.96
  text "Plated" at 112.888,42.466 h0.96
  text "Hole Type" at 119.687,42.466 h0.96
  text "Drill Layer Pair" at 129.524,42.466 h0.96
  text "Via/Pad" at 149.552,42.466 h0.96
  text "Pad Shape" at 157.469,42.466 h0.96
  text "Template" at 167.467,42.466 h0.96
  text "Hole Length" at 179.097,42.466 h0.96
  text "Routed Path Length" at 190.694,42.466 h0.96
  text "2" at 89.495,40.466 h0.8
  text "0.650mm (25.59mil)" at 97.526,40.466 h0.8
  text "NPTH" at 112.888,40.466 h0.8
  text "Round" at 119.687,40.466 h0.8
  text "Top Layer - Bottom Layer" at 129.524,40.466 h0.8
  text "Pad" at 149.552,40.466 h0.8
  text "Rounded" at 157.469,40.466 h0.8
  text "c65hn65" at 167.467,40.466 h0.8
  text "-" at 179.097,40.466 h0.8
  text "-" at 190.694,40.466 h0.8
  text "2" at 89.495,38.466 h0.8
  text "3.200mm (125.98mil)" at 97.526,38.466 h0.8
  text "NPTH" at 112.888,38.466 h0.8
  text "Round" at 119.687,38.466 h0.8
  text "Top Layer - Bottom Layer" at 129.524,38.466 h0.8
  text "Pad" at 149.552,38.466 h0.8
  text "Rounded" at 157.469,38.466 h0.8
  text "c320hn320m620" at 167.467,38.466 h0.8
  text "-" at 179.097,38.466 h0.8
  text "-" at 190.694,38.466 h0.8
  text "4" at 89.495,36.466 h0.8
  text "3.100mm (122.05mil)" at 97.526,36.466 h0.8
  text "NPTH" at 112.888,36.466 h0.8
  text "Round" at 119.687,36.466 h0.8
  text "Top Layer - Bottom Layer" at 129.524,36.466 h0.8
  text "Pad" at 149.552,36.466 h0.8
  text "Rounded" at 157.469,36.466 h0.8
  text "c310hn310" at 167.467,36.466 h0.8
  text "-" at 179.097,36.466 h0.8
  text "-" at 190.694,36.466 h0.8
  text "9" at 89.495,34.466 h0.8
  text "1.700mm (66.93mil)" at 97.526,34.466 h0.8
  text "PTH" at 112.888,34.466 h0.8
  text "Round" at 119.687,34.466 h0.8
  text "Top Layer - Bottom Layer" at 129.524,34.466 h0.8
  text "Pad" at 149.552,34.466 h0.8
  text "(Mixed)" at 157.469,34.466 h0.8
  text "(Mixed)" at 167.467,34.466 h0.8
  text "-" at 179.097,34.466 h0.8
  text "-" at 190.694,34.466 h0.8
  text "10" at 89.495,32.466 h0.8
  text "3.000mm (118.11mil)" at 97.526,32.466 h0.8
  text "NPTH" at 112.888,32.466 h0.8
  text "Round" at 119.687,32.466 h0.8
  text "Top Layer - Bottom Layer" at 129.524,32.466 h0.8
  text "Pad" at 149.552,32.466 h0.8
  text "Rounded" at 157.469,32.466 h0.8
  text "(Mixed)" at 167.467,32.466 h0.8
  text "-" at 179.097,32.466 h0.8
  text "-" at 190.694,32.466 h0.8
  text "12" at 89.495,30.466 h0.8
  text "2.770mm (109.06mil)" at 97.526,30.466 h0.8
  text "PTH" at 112.888,30.466 h0.8
  text "Round" at 119.687,30.466 h0.8
  text "Top Layer - Bottom Layer" at 129.524,30.466 h0.8
  text "Pad" at 149.552,30.466 h0.8
  text "Rounded" at 157.469,30.466 h0.8
  text "c416h277" at 167.467,30.466 h0.8
  text "-" at 179.097,30.466 h0.8
  text "-" at 190.694,30.466 h0.8
  text "18" at 89.495,28.466 h0.8
  text "0.900mm (35.43mil)" at 97.526,28.466 h0.8
  text "PTH" at 112.888,28.466 h0.8
  text "Round" at 119.687,28.466 h0.8
  text "Top Layer - Bottom Layer" at 129.524,28.466 h0.8
  text "Pad" at 149.552,28.466 h0.8
  text "(Mixed)" at 157.469,28.466 h0.8
  text "(Mixed)" at 167.467,28.466 h0.8
  text "-" at 179.097,28.466 h0.8
  text "-" at 190.694,28.466 h0.8
  text "18" at 89.495,26.466 h0.8
  text "1.000mm (39.37mil)" at 97.526,26.466 h0.8
  text "PTH" at 112.888,26.466 h0.8
  text "Round" at 119.687,26.466 h0.8
  text "Top Layer - Bottom Layer" at 129.524,26.466 h0.8
  text "Pad" at 149.552,26.466 h0.8
  text "(Mixed)" at 157.469,26.466 h0.8
  text "(Mixed)" at 167.467,26.466 h0.8
  text "-" at 179.097,26.466 h0.8
  text "-" at 190.694,26.466 h0.8
  text "145" at 89.495,24.466 h0.8
  text "0.250mm (9.84mil)" at 97.526,24.466 h0.8
  text "PTH" at 112.888,24.466 h0.8
  text "Round" at 119.687,24.466 h0.8
  text "Top Layer - Bottom Layer" at 129.524,24.466 h0.8
  text "Via" at 149.552,24.466 h0.8
  text "Rounded" at 157.469,24.466 h0.8
  text "v60h25m0mx45" at 167.467,24.466 h0.8
  text "-" at 179.097,24.466 h0.8
  text "-" at 190.694,24.466 h0.8
  text "220 Total" at 89.495,22.466 h0.8

## Dimensions
-81.23,12 to -81.23,-62 on Fabrication
-82.5,-60.73 to 82.5,-60.73 on Fabrication

## Text inside footprints (layer, text, board x,y; h text height)
J1: Comments "PCB Edge" at 52.3,13 h0.61 r180